# Altium PCB S6.PcbDoc (part 11 of 14) (continued)
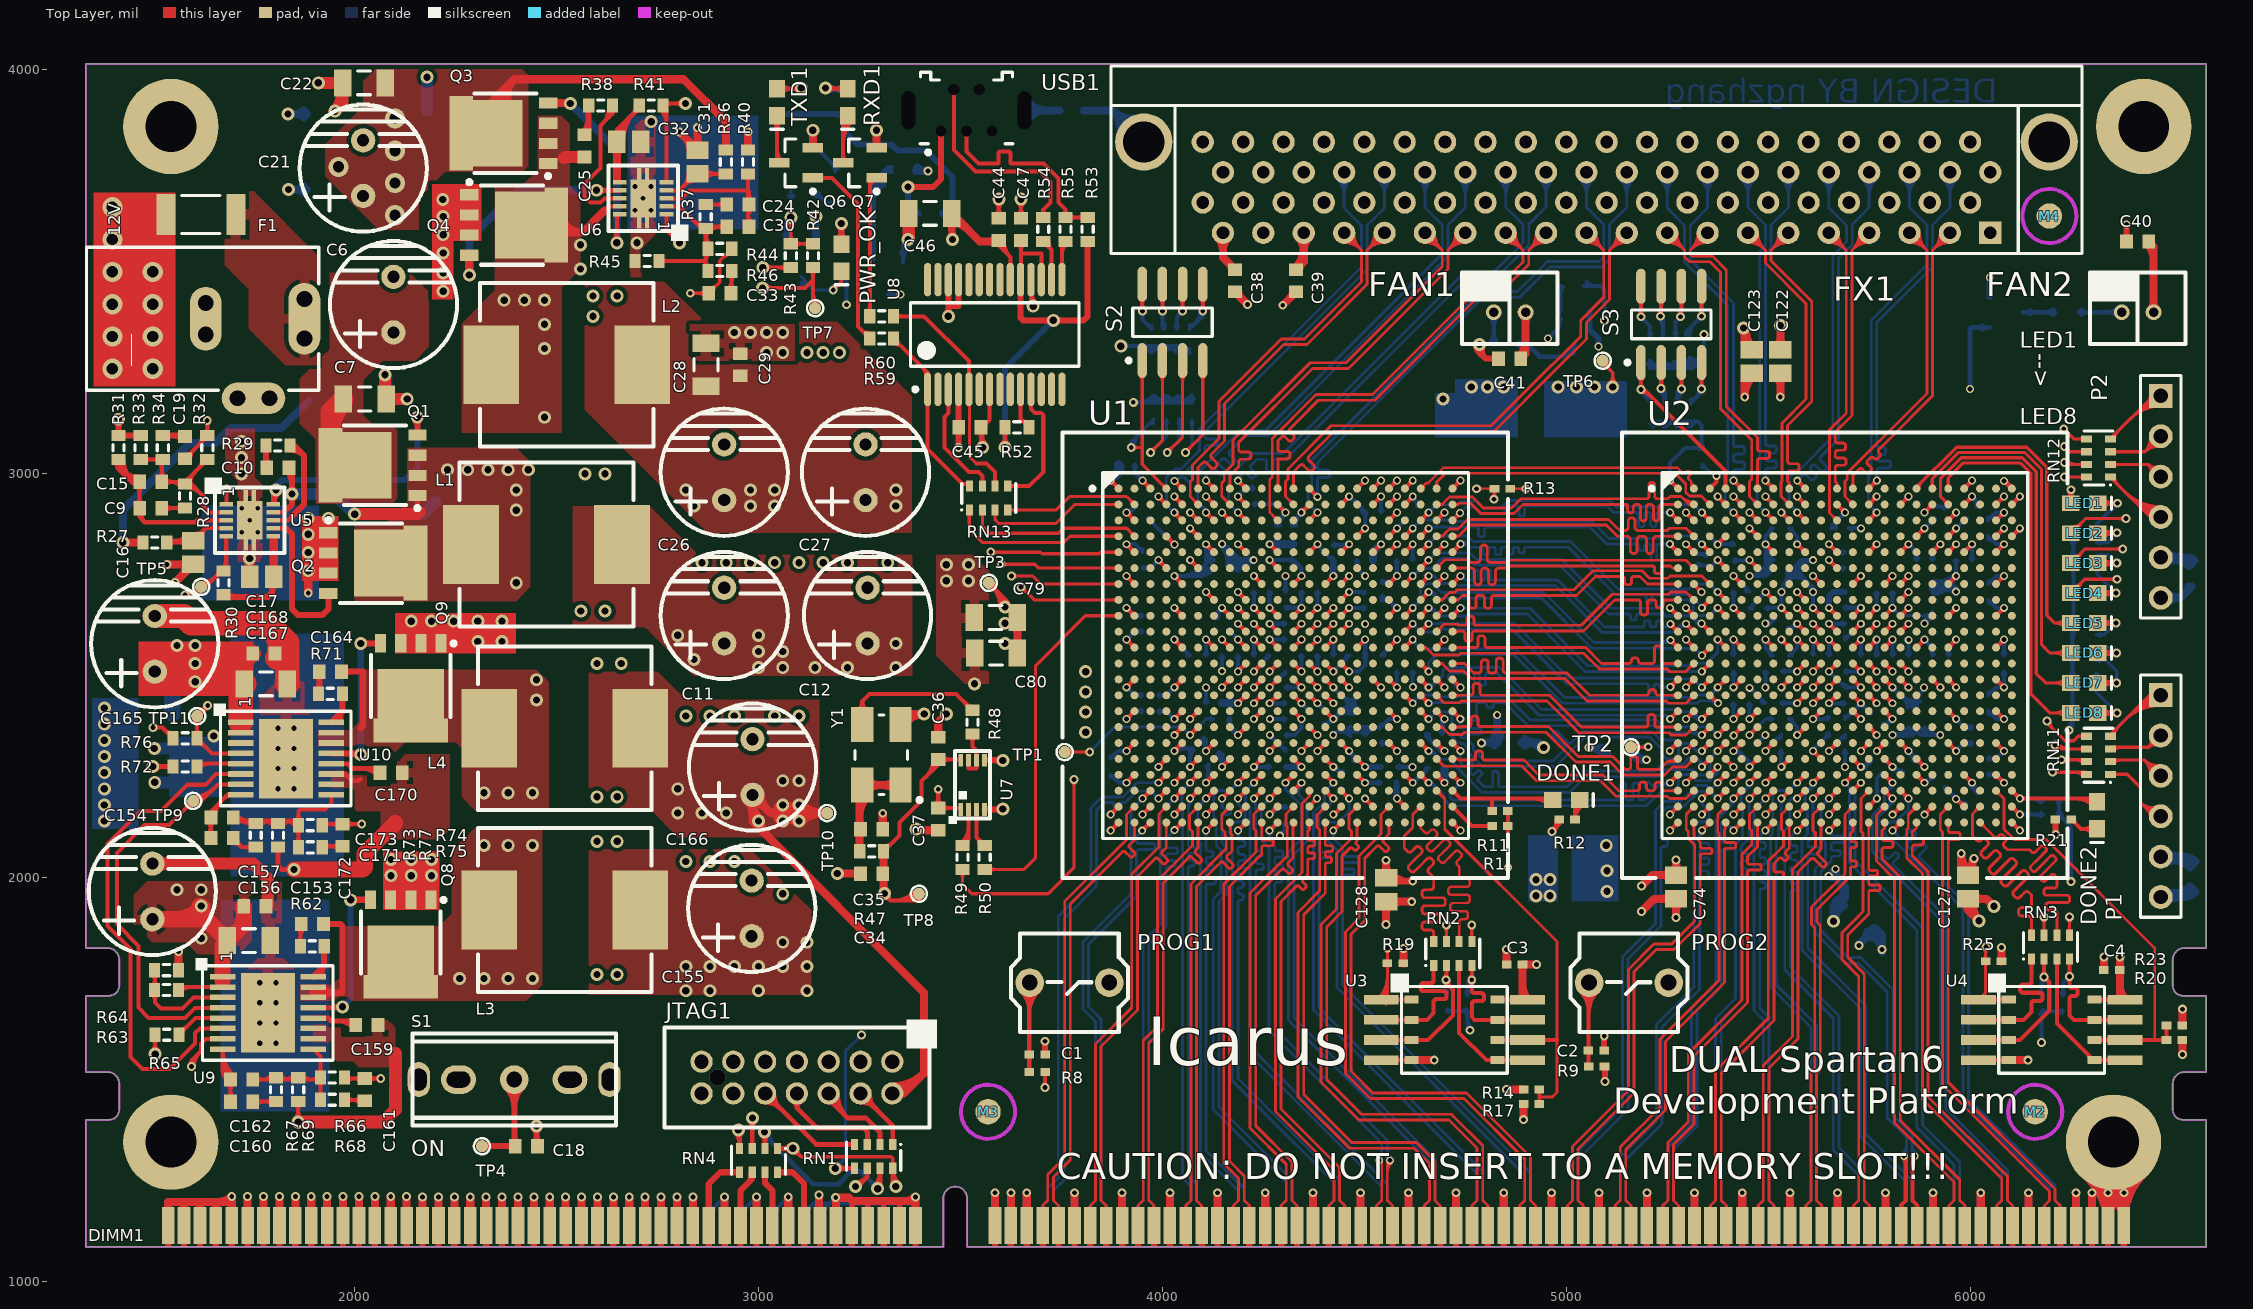
[diagram p0: Top Layer view]
## Nets (pads, with @x,y where several pads share a name; then routed paths per layer and width w, separated by ;. In a path a pad name is that pad's centre, name@x,y a point inside that pad or via, vN(x,y) a via of type N, cw(c..) or ccw(c..) an arc to the next point about the centre after c; other vN are vias at no path point) (continued)
UART_CTS: RN13.4 U1.B2 | length 376.2
  Top Layer w8: RN13.4@3617.24,2910.47 3737.47,2910.47 3770.7,2943.7 3911.3,2943.7 U1.B2@3930.98,2924.02 ; RN13.4@3620.68,2907.04 cw(c3628.97,2898.74) 3628.97,2910.47 cw(c3628.97,2922.2) RN13.4@3620.68,2913.91 ; U1.B2@3925.14,2924.02 ccw(c3911.04,2924.02) 3921.01,2933.99 ccw(c3930.98,2943.96) U1.B2@3930.98,2929.86
UART_RTS: RN13.2 U1.D2 | length 476.9
  Top Layer w8: RN13.2@3550.82,2902.12 cw(c3542.52,2893.82) 3554.25,2893.82 cw(c3565.98,2893.82) RN13.2@3557.69,2902.12 ; RN13.2@3554.25,2910.47 3554.25,2871.75 3573,2853 3742,2853 3754,2865 3911.26,2865 U1.D2@3930.98,2845.28 ; U1.D2@3925.14,2845.28 ccw(c3911.04,2845.28) 3921.01,2855.25 ccw(c3930.98,2865.22) U1.D2@3930.98,2851.12
UART_RXD: RN13.3 U1.B1 | length 394
  Top Layer w8: RN13.3@3582.31,2902.12 cw(c3574.02,2893.82) 3585.75,2893.82 cw(c3597.48,2893.82) RN13.3@3589.18,2902.12 ; RN13.3@3585.75,2910.47 3585.75,2886.25 3595,2877 3736,2877 3783.02,2924.02 U1.B1@3891.61,2924.02 ; U1.B1@3887.48,2919.88 ccw(c3877.51,2909.91) 3877.51,2924.02 ccw(c3877.51,2938.12) U1.B1@3887.48,2928.15
UART_TXD: RN13.1 U1.D1 | length 478.6
  Top Layer w8: RN13.1@3519.32,2902.12 cw(c3512.85,2895.65) 3522,2895.65 ; 3522,2892 cw(c3536.31,2892) RN13.1@3526.19,2902.12 ; RN13.1@3522.76,2910.47 3522,2909.72 3522,2862 3554,2830 3756,2830 3771.28,2845.28 U1.D1@3891.61,2845.28 ; U1.D1@3887.48,2841.14 ccw(c3877.51,2831.17) 3877.51,2845.28 ccw(c3877.51,2859.38) U1.D1@3887.48,2849.41
USB_N: R54.2 USB1.2 | length 546.2
  Top Layer w10: USB1.2@3483.5,3951.18 3483.5,3801.21 3536.72,3748 3697.5,3748 3722.5,3723 3722.5,3671.5 3705,3654 ; R54.2@3699.19,3641.11 ccw(c3687.8,3654) 3705,3654 ; R54.2@3705,3634.53 3705,3654 ; R54.2@3710.81,3641.11 cw(c3722.2,3654) 3705,3654
USB_P: R53.1 R55.2 USB1.3 | length 612.8
  Top Layer w10: USB1.3@3515,3848.82 3515,3798 3545,3768 3590.15,3768 ccw(c3590.15,3772.35) 3594.5,3772.35 3594.5,3793.45 cw(c3598.85,3793.45) 3598.85,3797.8 3619.15,3797.8 cw(c3619.15,3793.45) 3623.5,3793.45 3623.5,3772.35 ccw(c3627.85,3772.35) 3627.85,3768 3705.78,3768 3742.5,3731.28 3742.5,3671.5 3760,3654 ; R55.2@3754.19,3641.11 ccw(c3742.8,3654) 3760,3654 ; R55.2@3765.81,3641.11 cw(c3777.2,3654) 3760,3654 ; R55.2@3770.14,3628.32 cw(c3785.13,3613.33) 3785.13,3634.53 cw(c3785.13,3655.72) R55.2@3770.14,3640.74 ; R53.1@3804.86,3628.32 ccw(c3789.87,3613.33) 3789.87,3634.53 ccw(c3789.87,3655.72) R53.1@3804.86,3640.74 ; R53.1@3815,3634.53 R55.2@3760,3634.53 3760,3654
VCC3V3: C3.2 C4.2 C34.2 C36.1 C74.2 C75.2 C76.2 C77.2 C124.2 C125.2 C126.2 C127.2 C128.2 C129.2 C130.2 C131.2 C155.1 C158.2 C161.2 L3.2 R1.1 R3.1 R6.1 R7.1 R8.1 R9.1 R11.1 R14.1 R15.1 R16.1 R18.1 R19.1 R20.1 R22.1 R24.1 R25.1 R47.2 R66.1 R76.2 TP8.1 U1.AA3 U1.AA7 U1.AA11 U1.AA15 U1.AA19 U1.T9 U1.T13 U1.V8 U1.V12 U1.V16 U1.W5 U2.AA3 U2.AA7 U2.AA11 U2.AA15 U2.AA19 U2.T9 U2.T13 U2.V8 U2.V12 U2.V16 U2.W5 U3.8 U4.8 U7.8 | length 10564.4
  Top Layer w10: v3(1501,2372) 1523.47,2372 R76.2@1550.47,2345 ; v3@1505.24,2367.76 cw(c1515.49,2357.51) 1515.49,2372 cw(c1515.49,2386.49) v3@1505.24,2376.24 ; 1528.76,2366.71 ccw(c1550.47,2388.42) R76.2@1550.47,2357.72 ; R76.2@1538.27,2357.2 cw(c1530,2348.94) R76.2@1541.69,2348.94 ; R66.1@1974.53,1505 1976.97,1502.56 C161.2@2025,1502.56 v3(2064.56,1502.56) ; R66.1@1980.74,1494.85 cw(c1999.34,1476.26) 1999.34,1502.56 ; R66.1@1980.74,1507.27 ccw(c1992.11,1518.65) 1992.11,1502.56 ; C161.2@2015.43,1494.96 ccw(c1997.08,1476.61) 1997.08,1502.56 ccw(c1997.08,1528.51) C161.2@2015.43,1510.16 ; C161.2@2034.57,1494.96 cw(c2052.92,1476.61) 2052.92,1502.56 cw(c2052.92,1528.51) C161.2@2034.57,1510.16 ; v3@2060.32,1498.32 ccw(c2050.07,1488.07) 2050.07,1502.56 ccw(c2050.07,1517.04) v3@2060.32,1506.8 ; v2@3309.53,1960.47 3327,1943 ; R47.2@3309.53,2065 3349,2104.47 3349,2136 3404,2191 3404,2239 3445,2280 C36.1@3445,2292.44 3499.05,2292.44 U7.8@3500.47,2291.02 ; R47.2@3309.53,2077.72 ccw(c3309.53,2108.42) 3331.24,2086.71 ; v2@3312,1950 cw(c3312,1930.69) 3325.66,1944.34 ; R47.2@3318.31,2068.94 cw(c3330,2068.94) R47.2@3321.73,2077.2 ; v2@3322.69,1958.39 ccw(c3338.53,1954.53) 3327,1943 ; 3331.82,1943 ccw(c3331.82,2025.18) TP8.1@3389.93,1967.07 ; 3355.96,1943 ccw(c3355.96,2001.04) TP8.1@3397,1960 3397,1943 ; 3380.1,1943 ccw(c3380.1,1976.9) TP8.1@3404.07,1952.93 ; 3414.49,2249.49 ccw(c3371.55,2292.44) C36.1@3432.28,2292.44 ; 3431.57,2266.57 ccw(c3405.69,2292.44) C36.1@3442.28,2292.44 ; C36.1@3454.57,2284.84 cw(c3472.92,2266.49) 3472.92,2292.44 cw(c3472.92,2318.39) C36.1@3454.57,2300.04 ; v3@3704.76,1484.24 ccw(c3694.51,1494.49) 3709,1494.49 ccw(c3723.49,1494.49) v3@3713.24,1484.24 ; R8.1@3706.26,1515.58 cw(c3699.65,1508.96) 3709,1508.96 ; v3(3709,1480) 3709,1518.31 R8.1@3709.68,1519 ; 3709,1505.66 cw(c3723.03,1505.66) R8.1@3713.11,1515.58 ; v1(3950.67,2156.3) U1.AA3@3970.35,2175.98 ; v1@3950.67,2161.14 ccw(c3950.67,2172.83) 3958.94,2164.56 ccw(c3967.2,2156.3) v1@3955.51,2156.3 ; U1.AA3@3965.51,2175.98 cw(c3953.82,2175.98) 3962.09,2167.72 cw(c3970.35,2159.45) U1.AA3@3970.35,2171.14 ; v1(4029.41,2235.04) U1.W5@4049.09,2254.72 ; v1@4029.41,2239.88 ccw(c4029.41,2251.57) 4037.68,2243.31 ccw(c4045.94,2235.04) v1@4034.25,2235.04 ; U1.W5@4044.25,2254.72 cw(c4032.56,2254.72) 4040.83,2246.46 cw(c4049.09,2238.19) U1.W5@4049.09,2249.88 ; v1(4108.15,2156.3) U1.AA7@4127.83,2175.98 ; v1@4108.15,2161.14 ccw(c4108.15,2172.83) 4116.42,2164.56 ccw(c4124.68,2156.3) v1@4112.99,2156.3 ; U1.AA7@4122.99,2175.98 cw(c4111.3,2175.98) 4119.57,2167.72 cw(c4127.83,2159.45) U1.AA7@4127.83,2171.14 ; v1(4147.52,2274.41) U1.V8@4167.2,2294.09 ; v1@4147.52,2279.25 ccw(c4147.52,2290.94) 4155.79,2282.68 ccw(c4164.05,2274.41) v1@4152.36,2274.41 ; U1.V8@4162.36,2294.09 cw(c4150.67,2294.09) 4158.94,2285.83 cw(c4167.2,2277.56) U1.V8@4167.2,2289.25 ; v1(4186.89,2353.15) U1.T9@4206.57,2372.83 ; v1@4186.89,2357.99 ccw(c4186.89,2369.68) 4195.16,2361.42 ccw(c4203.42,2353.15) v1@4191.73,2353.15 ; U1.T9@4201.73,2372.83 cw(c4190.04,2372.83) 4198.31,2364.57 cw(c4206.57,2356.3) U1.T9@4206.57,2367.99 ; v1(4265.63,2156.3) U1.AA11@4285.31,2175.98 ; v1@4265.63,2161.14 ccw(c4265.63,2172.83) 4273.9,2164.56 ccw(c4282.16,2156.3) v1@4270.47,2156.3 ; U1.AA11@4280.47,2175.98 cw(c4268.78,2175.98) 4277.05,2167.72 cw(c4285.31,2159.45) U1.AA11@4285.31,2171.14 ; U1.V12@4324.69,2289.25 cw(c4324.69,2277.56) 4332.95,2285.83 cw(c4341.22,2294.09) U1.V12@4329.53,2294.09 ; U1.V12@4324.69,2294.09 v1(4344.37,2274.41) ; v1@4339.53,2274.41 ccw(c4327.84,2274.41) 4336.1,2282.68 ccw(c4344.37,2290.94) v1@4344.37,2279.25 ; U1.T13@4364.06,2367.99 cw(c4364.06,2356.3) 4372.32,2364.57 cw(c4380.59,2372.83) U1.T13@4368.9,2372.83 ; U1.T13@4364.06,2372.83 v1(4383.74,2353.15) ; v1@4378.9,2353.15 ccw(c4367.21,2353.15) 4375.47,2361.42 ccw(c4383.74,2369.68) v1@4383.74,2357.99 ; v1@4423,2154 4442.8,2173.8 U1.AA15@4442.8,2175.98 ; v1@4423.11,2161.14 ccw(c4423.11,2178.11) 4435.11,2166.11 ; 4432.98,2163.98 ccw(c4420.98,2175.98) U1.AA15@4437.95,2175.98 ; U1.V16@4482.17,2289.25 cw(c4482.17,2277.56) 4490.43,2285.83 cw(c4498.7,2294.09) U1.V16@4487.01,2294.09 ; U1.V16@4482.17,2294.09 v1(4501.85,2274.41) ; v1@4497.01,2274.41 ccw(c4485.32,2274.41) 4493.58,2282.68 ccw(c4501.85,2290.94) v1@4501.85,2279.25 ; v1@4580.59,2190.83 cw(c4580.59,2179.14) 4588.86,2187.4 cw(c4597.12,2195.67) v1@4585.43,2195.67 ; v1(4580.59,2195.67) U1.AA19@4600.28,2175.98 ; U1.AA19@4595.43,2175.98 ccw(c4583.74,2175.98) 4592.01,2184.25 ccw(c4600.28,2192.52) U1.AA19@4600.28,2180.83 ; U3.8@4840.43,1694.58 cw(c4848.69,1686.31) 4848.69,1698 cw(c4848.69,1709.69) U3.8@4840.43,1701.42 ; v7@4852.15,2028.22 ccw(c4843.61,2036.76) 4855.69,2036.76 ccw(c4867.76,2036.76) v7@4859.22,2028.22 ; R1.1@4852.26,2124.58 cw(c4843.99,2116.31) 4855.69,2116.31 cw(c4867.38,2116.31) R1.1@4859.11,2124.58 ; R1.1@4852.26,2131.42 ccw(c4843.99,2139.69) 4855.69,2139.69 ccw(c4867.38,2139.69) R1.1@4859.11,2131.42 ; R11.1@4852.26,2161.58 cw(c4843.99,2153.31) 4855.69,2153.31 cw(c4867.38,2153.31) R11.1@4859.11,2161.58 ; v7(4855.69,2024.68) R1.1@4855.69,2128 R11.1@4855.69,2165 ; U3.8@4867.79,1693.18 ccw(c4856.16,1681.56) 4856.16,1698 ccw(c4856.16,1714.44) U3.8@4867.79,1702.82 ; v1(5335.67,2156.3) U2.AA3@5355.35,2175.98 ; v1@5335.67,2161.14 ccw(c5335.67,2172.83) 5343.94,2164.56 ccw(c5352.2,2156.3) v1@5340.51,2156.3 ; U2.AA3@5350.51,2175.98 cw(c5338.82,2175.98) 5347.09,2167.72 cw(c5355.35,2159.45) U2.AA3@5355.35,2171.14 ; v1(5414.41,2235.04) U2.W5@5434.09,2254.72 ; v1@5414.41,2239.88 ccw(c5414.41,2251.57) 5422.68,2243.31 ccw(c5430.94,2235.04) v1@5419.25,2235.04 ; U2.W5@5429.25,2254.72 cw(c5417.56,2254.72) 5425.83,2246.46 cw(c5434.09,2238.19) U2.W5@5434.09,2249.88 ; v1(5493.15,2156.3) U2.AA7@5512.83,2175.98 ; v1@5493.15,2161.14 ccw(c5493.15,2172.83) 5501.42,2164.56 ccw(c5509.68,2156.3) v1@5497.99,2156.3 ; U2.AA7@5507.99,2175.98 cw(c5496.3,2175.98) 5504.57,2167.72 cw(c5512.83,2159.45) U2.AA7@5512.83,2171.14 ; v1(5532.52,2274.41) U2.V8@5552.2,2294.09 ; v1@5532.52,2279.25 ccw(c5532.52,2290.94) 5540.79,2282.68 ccw(c5549.05,2274.41) v1@5537.36,2274.41 ; U2.V8@5547.36,2294.09 cw(c5535.67,2294.09) 5543.94,2285.83 cw(c5552.2,2277.56) U2.V8@5552.2,2289.25 ; v1(5571.89,2353.15) U2.T9@5591.57,2372.83 ; v1@5571.89,2357.99 ccw(c5571.89,2369.68) 5580.16,2361.42 ccw(c5588.42,2353.15) v1@5576.73,2353.15 ; U2.T9@5586.73,2372.83 cw(c5575.04,2372.83) 5583.31,2364.57 cw(c5591.57,2356.3) U2.T9@5591.57,2367.99 ; v1(5650.63,2156.3) U2.AA11@5670.31,2175.98 ; v1@5650.63,2161.14 ccw(c5650.63,2172.83) 5658.9,2164.56 ccw(c5667.16,2156.3) v1@5655.47,2156.3 ; U2.AA11@5665.47,2175.98 cw(c5653.78,2175.98) 5662.05,2167.72 cw(c5670.31,2159.45) U2.AA11@5670.31,2171.14 ; U2.V12@5709.69,2289.25 cw(c5709.69,2277.56) 5717.95,2285.83 cw(c5726.22,2294.09) U2.V12@5714.53,2294.09 ; U2.V12@5709.69,2294.09 v1(5729.37,2274.41) ; v1@5724.53,2274.41 ccw(c5712.84,2274.41) 5721.1,2282.68 ccw(c5729.37,2290.94) v1@5729.37,2279.25 ; U2.T13@5749.06,2367.99 cw(c5749.06,2356.3) 5757.32,2364.57 cw(c5765.59,2372.83) U2.T13@5753.9,2372.83 ; U2.T13@5749.06,2372.83 v1(5768.74,2353.15) ; v1@5763.9,2353.15 ccw(c5752.21,2353.15) 5760.47,2361.42 ccw(c5768.74,2369.68) v1@5768.74,2357.99 ; v1(5808,2156) 5827.8,2175.8 U2.AA15@5827.8,2175.98 ; v1@5808,2160.84 ccw(c5808,2172.53) 5816.27,2164.27 ccw(c5824.53,2156) v1@5812.84,2156 ; 5819.39,2167.4 ccw(c5810.81,2175.98) U2.AA15@5822.95,2175.98 ; 5819.85,2167.85 cw(c5827.8,2159.91) U2.AA15@5827.8,2171.14 ; U2.V16@5867.17,2289.25 cw(c5867.17,2277.56) 5875.43,2285.83 cw(c5883.7,2294.09) U2.V16@5872.01,2294.09 ; U2.V16@5867.17,2294.09 v1(5886.85,2274.41) ; v1@5882.01,2274.41 ccw(c5870.32,2274.41) 5878.58,2282.68 ccw(c5886.85,2290.94) v1@5886.85,2279.25 ; v1@5965,2190.16 cw(c5965,2175.43) 5975.42,2185.84 ; v1(5965,2195) 5966.26,2195 U2.AA19@5985.28,2175.98 ; U2.AA19@5980.43,2175.98 ccw(c5968.74,2175.98) 5977.01,2184.25 ccw(c5985.28,2192.52) U2.AA19@5985.28,2180.83 ; U4.8@6319.43,1694.58 cw(c6327.69,1686.31) 6327.69,1698 cw(c6327.69,1709.69) U4.8@6319.43,1701.42 ; U4.8@6346.79,1693.18 ccw(c6335.16,1681.56) 6335.16,1698 ccw(c6335.16,1714.44) U4.8@6346.79,1702.82 ; 3327,1943 3397,1943 ; 3397,1943 cw(c3406.45,1943) 3401.86,1951.26 ccw(c3406.45,1943) 3397,1943 ; 3397,1943 ccw(c3387.55,1943) 3392.14,1951.26 cw(c3387.55,1943) 3397,1943
  Top Layer w15: C128.2@4562.53,1991 v3(4620,1991) ; C128.2@4569.91,2009.54 ccw(c4614.66,2054.28) v3@4614.66,1991 ; 4608.26,1992.72 ccw(c4611.67,2005.43) v3@4618.25,1994.03 ; R9.1@5094.69,1532 5096,1530.68 v3(5096,1495)
  Top Layer w20: C34.2@3303.49,2003.97 cw(c3288.93,1989.4) 3309.53,1989.4 ; C34.2@3303.49,2016.03 ccw(c3288.93,2030.6) 3309.53,2030.6 ; v2@3309.53,1960.47 3309.53,2010 R47.2@3309.53,2065 ; 3309.53,1981.45 ccw(c3332.45,1981.45) v2@3316.24,1965.24 ; C128.2@4545.76,2007.77 ccw(c4525.87,2027.66) 4554,2027.66 ccw(c4582.13,2027.66) C128.2@4562.24,2007.77 ; C128.2@4554,1999.53 v3(4554,2043) ; R19.1@4596.69,1788 v3(4596.69,1824.68) ; v3(4852,1475) R14.1@4894.31,1475 ; 4891.69,1732.35 ccw(c4938.45,1732.35) U3.8@4905.38,1699.28 ; U3.8@4904.1,1698 4891.69,1710.42 C3.2@4891.69,1785 v3(4926,1785) ; v3(5186,1979) 5213.53,2006.53 C74.2@5272,2006.53 v3(5272,2044) ; C74.2@5257.85,1998.29 ccw(c5237.96,1978.39) 5237.96,2006.53 ccw(c5237.96,2034.66) C74.2@5257.85,2014.77 ; C74.2@5263.76,2014.77 ccw(c5243.87,2034.66) 5272,2034.66 ccw(c5300.13,2034.66) C74.2@5280.24,2014.77 ; C127.2@5979.67,2013.38 ccw(c5966.45,2022.98) 5978,2034.53 ; C127.2@5991.48,2017.93 cw(c5994.95,2034.53) 5978,2034.53 ; C127.2@5993.31,2015.37 ccw(c5969.57,2043) v3@6006,2043 ; C127.2@5997.18,2014.92 cw(c6040.56,2060) v3(5978,2060) 5978,2034.53 ; 6006,2034.93 cw(c6022.07,2034.93) v3@6010.71,2046.29 ; v3(6010,2047) v3@6006,2043 ; R25.1@6077.69,1793 v3(6077.69,1827.32) ; 6370.69,1732.35 ccw(c6417.45,1732.35) U4.8@6384.38,1699.28 ; v3(6370.69,1803.31) C4.2@6370.69,1771 6370.69,1710.42 U4.8@6383.1,1698 ; R20.1@6525.69,1598 v3(6525.69,1562.32) v3@6526,1562 ; 5978,2034.53 6006,2006.53 v3@6006,2043
  Mid-Layer 3 w10: v3(1501,2372) 1536,2372 1559,2349 1559,2181 1636,2104 1891,2104 2140,1855 C155.1@2983,1855 ; v3@1505.24,2367.76 cw(c1515.49,2357.51) 1515.49,2372 cw(c1515.49,2386.49) v3@1505.24,2376.24 ; v3(2064.56,1502.56) 2195,1633 3087,1633 3312,1858 v2(3312,1961) ; v3@2064.56,1508.56 ccw(c2064.56,1523.04) 2074.8,1512.8 ccw(c2085.04,1502.56) v3@2070.56,1502.56 ; C155.1@2965.32,1837.32 ccw(c2922.64,1794.64) 2922.64,1855 ccw(c2922.64,1915.36) C155.1@2965.32,1872.68 ; C155.1@2972.39,1844.39 ccw(c2946.79,1818.79) 2946.79,1855 ccw(c2946.79,1891.21) C155.1@2972.39,1865.61 ; v2@3304.22,1953.22 cw(c3285.44,1934.44) 3312,1934.44 cw(c3338.56,1934.44) v2@3319.78,1953.22
  Mid-Layer 4 w8: 3965,2219 3976.72,2219 3981.72,2214 3982.23,2214.51 4008.88,2214.51 v1(4029.41,2235.04) 4048.25,2216.2 4048.25,2173.75 ; v1@4023.57,2235.04 cw(c4009.46,2235.04) 4019.43,2225.06 cw(c4029.41,2215.09) 4029.41,2229.2 cw(c4029.41,2215.09) 4039.38,2225.06 cw(c4049.36,2235.04) v1@4035.25,2235.04 ; 4128,2167 4128,2254.89 v1(4147.52,2274.41) 4168.05,2253.88 4168.05,2184.77 4171.14,2181.67 4171.14,2172.05 ; v1@4141.68,2274.41 cw(c4127.57,2274.41) 4137.55,2264.43 cw(c4147.52,2254.46) 4147.52,2268.57 cw(c4147.52,2254.46) 4157.49,2264.43 cw(c4167.47,2274.41) v1@4153.36,2274.41 ; 4186.89,2273.11 4207,2253 ; 4216,2163 4207,2172 4207,2253 ; 4246,2173 4246,2215 ; 4254.88,2253.88 4207.88,2253.88 4207,2253 ; 5355,2171 5355,2216 5365.43,2216 5366.43,2217 5367.23,2216.2 5395.57,2216.2 ; 5395.57,2175.43 5395.57,2216.2 ; v1@5408.57,2235.04 cw(c5394.46,2235.04) 5404.43,2225.06 cw(c5414.41,2215.09) 5414.41,2229.2 cw(c5414.41,2215.09) 5424.38,2225.06 cw(c5434.36,2235.04) v1@5420.25,2235.04 ; 5433.25,2180.75 5433.25,2216.2 v1(5414.41,2235.04) 5395.57,2216.2 ; 5474,2157 5474,2242.54 5485.34,2253.88 5511.99,2253.88 v1(5532.52,2274.41) 5532.52,2222.32 5513.68,2203.47 5513.68,2163.68 ; v1@5526.68,2274.41 cw(c5512.57,2274.41) 5522.55,2264.43 cw(c5532.52,2254.46) v1@5532.52,2268.57 ; v1@5528.39,2270.28 cw(c5518.41,2260.3) 5532.52,2260.3 cw(c5546.62,2260.3) v1@5536.65,2270.28 ; 5552,2175 5552,2217
  Mid-Layer 4 w15: 4186.89,2273.11 v1(4186.89,2353.15)
  Bottom Layer w10: R16.1@4703,1670.32 R18.1@4755,1670.32 4755,1629 v3(4762,1622) ; R16.1@4706.42,1666.89 cw(c4714.69,1658.62) 4714.69,1670.32 cw(c4714.69,1682.01) R16.1@4706.42,1673.74 ; R18.1@4751.58,1664.92 cw(c4743.31,1656.66) 4755,1656.66 cw(c4766.69,1656.66) R18.1@4758.42,1664.92 ; R18.1@4751.58,1666.89 ccw(c4743.31,1658.62) 4743.31,1670.32 ccw(c4743.31,1682.01) R18.1@4751.58,1673.74 ; 4755,1653.38 ccw(c4793.38,1653.38) v3@4766.24,1626.24 ; C124.2@5528.58,2308.92 cw(c5520.31,2300.66) 5532,2300.66 cw(c5543.69,2300.66) C124.2@5535.42,2308.92 ; v1@5529.09,2277.83 ccw(c5522.08,2284.85) 5532,2284.85 ; 5532,2287.35 ccw(c5545.46,2287.35) v1@5535.94,2277.83 ; C124.2@5532,2314.31 5532,2274.93 v1(5532.52,2274.41) ; R7.1@5551.69,2393 5571.89,2372.8 v1(5571.89,2353.15) ; R7.1@5558.5,2393 ccw(c5574.94,2393) 5563.31,2381.37 ; v1@5568.46,2356.57 ccw(c5560.2,2364.84) 5571.89,2364.84 ccw(c5583.58,2364.84) v1@5575.31,2356.57 ; v1@5728.76,2269.29 ccw(c5730.45,2283.43) 5740.52,2273.36 ; v1(5729.37,2274.41) 5741.57,2274.41 C126.2@5755.08,2287.92 cw(c5733.55,2309.44) v1@5729.95,2279.22 ; v1@5732.8,2270.98 cw(c5741.06,2262.72) 5741.06,2274.41 cw(c5741.06,2286.1) v1@5732.8,2277.83 ; C76.2@5936.92,2224.08 v1@5965,2196 ; C76.2@5938.31,2217.85 cw(c5938.31,2206.16) 5946.58,2214.42 cw(c5954.84,2222.69) C76.2@5943.15,2222.69 ; 5956.03,2204.97 cw(c5946.05,2195) v1@5960.16,2195 ; 5958.44,2202.56 ccw(c5965,2209.12) v1@5965,2199.84 ; v1@5965,2190.16 cw(c5965,2176.05) 5974.97,2186.03 ; v1(5965,2195) v1@5965,2196 ; v1@5966.25,2190.32 cw(c5969.36,2178.73) 5975.36,2189.12 ; v1@5967.12,2193.88 ccw(c5989.69,2216.45) C75.2@5989.69,2184.53 ; v1@5969.68,2196.25 ccw(c5980.67,2199.2) 5974.98,2189.34 ; v1@5969.84,2195 ccw(c5979.12,2195) 5972.56,2188.44 ; C75.2@5991.08,2181.08 5979.92,2181.08 v1@5965,2196 ; v3@6172.76,1596.24 ccw(c6162.51,1606.49) 6177,1606.49 ccw(c6191.49,1606.49) v3@6181.24,1596.24 ; R22.1@6173.58,1662.92 cw(c6165.31,1654.66) 6177,1654.66 cw(c6188.69,1654.66) R22.1@6180.42,1662.92 ; v3@6178,1591 v3(6177,1592) R22.1@6177,1668.32 R24.1@6230,1668.32 ; R22.1@6180.42,1664.89 cw(c6188.69,1656.62) 6188.69,1668.32 cw(c6188.69,1680.01) R22.1@6180.42,1671.74 ; R3.1@6216.26,2159.42 ccw(c6207.99,2167.69) 6219.69,2167.69 ccw(c6231.38,2167.69) R3.1@6223.11,2159.42 ; R15.1@6216.26,2186.58 cw(c6207.99,2178.31) 6219.69,2178.31 cw(c6231.38,2178.31) R15.1@6223.11,2186.58 ; R15.1@6219.69,2190 R3.1@6219.69,2156 6250,2125.69 v3(6250,1990) ; R3.1@6226.5,2156 ccw(c6242.94,2156) 6231.31,2144.37 ; R24.1@6226.58,1664.89 ccw(c6218.31,1656.62) 6218.31,1668.32 ccw(c6218.31,1680.01) R24.1@6226.58,1671.74 ; v3@6245.76,1994.24 ccw(c6235.51,2004.49) 6250,2004.49 ccw(c6264.49,2004.49) v3@6254.24,1994.24
  Bottom Layer w15: C129.2@4138.71,2304.97 cw(c4117.43,2283.69) v1@4147.52,2283.69 ; C129.2@4141.75,2308.01 4147.52,2302.25 v1(4147.52,2274.41) ; v1@4145.49,2275.58 ccw(c4133.49,2282.51) 4146.87,2286.09 ; R6.1@4166.69,2393 4166.69,2373.35 v1(4186.89,2353.15) ; v1(4265.63,2156.3) 4284.02,2174.69 C125.2@4305,2174.69 ; C131.2@4305.69,2274 4343.96,2274 v1(4344.37,2274.41) ; v1(4501.85,2274.41) 4502.26,2274 C130.2@4541.31,2274 ; C77.2@4579.69,2235 4579.69,2196.57 v1(4580.59,2195.67)
  other v1: 4423.11,2156.3
  other v2: 2820,1720 2880,1720 3000,1720 3120,1720 2820,1780 2880,1780 2940,1780 3000,1780 3060,1780 3120,1780 3060,1840 3120,1840
VCC5USB: C44.1 C46.2 R51.1 R57.2 R58.2 U8.20 | length 1406
  Top Layer w10: C44.1@3595,3575.47 3595,3565 3623.39,3536.61 ; C44.1@3597.72,3577.41 ccw(c3630.61,3575.95) 3607.33,3552.67 ; C44.1@3607.71,3576.97 ccw(c3661.36,3574.59) 3623.38,3536.62 ; U8.20@3620.66,3516.04 ccw(c3614.07,3522.62) 3623.39,3522.62 ccw(c3632.7,3522.62) U8.20@3626.11,3516.04 ; U8.20@3623.39,3480.83 3623.39,3536.61
  Top Layer w15: C46.2@3468.14,3623.18 cw(c3439.51,3594.55) v2@3480,3594.55 ; v2@3472.76,3584.45 ccw(c3446.59,3600.54) 3476.26,3608.49 ; v2@3473.99,3586.01 ccw(c3459.48,3600.52) 3480,3600.52 ccw(c3500.52,3600.52) v2@3486.01,3586.01 ; C46.2@3478.15,3645 3480,3643.15 v2(3480,3580) ; 3480,3603.49 cw(c3507.85,3603.49) C46.2@3488.16,3623.18
  Top Layer w20: C46.2@3478.15,3621.54 cw(c3478.15,3564.89) 3518.21,3604.94 ; C46.2@3480,3643.15 3547.68,3575.47 C44.1@3595,3575.47 ; 3574.4,3575.47 ccw(c3574.4,3596.07) C44.1@3588.97,3581.51
  Bottom Layer w15: R57.2@3046,3890.47 R58.2@3216,3890.47 ; R57.2@3054.38,3886.03 cw(c3065.1,3875.31) 3065.1,3890.47 cw(c3065.1,3905.63) R57.2@3054.38,3894.91 ; 3189.83,3890.47 cw(c3189.83,3858.24) R58.2@3212.62,3881.03 ; 3216,3867.75 cw(c3234.79,3867.75) R58.2@3221.5,3881.03 ; R58.2@3221,3885.47 R58.2@3216,3890.47 ; R51.1@3454.53,3645 3480.12,3645 ; R51.1@3458.97,3640.56 cw(c3469.69,3629.84) 3469.69,3645 cw(c3469.69,3660.16) R51.1@3458.97,3649.44 ; v2@3473.99,3586.01 ccw(c3459.19,3600.81) 3480.12,3600.81 ; v2(3480,3580) 3480.12,3580.12 3480.12,3734.88 3415,3800 3345,3800 3330,3815 3246,3815 3216,3845 R58.2@3216,3890.47 ; 3480.12,3600.24 ccw(c3500.24,3600.24) v2@3486.01,3586.01
VCC12V: C5.2 C20.2 C38.2 C40.1 C41.1 C152.2 C163.2 DIMM1.1 DIMM1.2 DIMM1.3 DIMM1.4 DIMM1.5 DIMM1.6 DIMM1.7 DIMM1.8 DIMM1.9 DIMM1.10 DIMM1.11 DIMM1.12 DIMM1.13 DIMM1.14 DIMM1.15 DIMM1.16 DIMM1.121 DIMM1.122 DIMM1.123 DIMM1.124 DIMM1.125 DIMM1.126 DIMM1.127 DIMM1.128 DIMM1.129 DIMM1.130 DIMM1.131 DIMM1.132 DIMM1.133 DIMM1.134 DIMM1.135 DIMM1.136 F1.2 FAN1.2 FAN2.2 FX1.38 FX1.39 FX1.40 R26.2 R35.2 R61.2 R70.2 R80.1 R81.1 | length 6698.2
  Top Layer w20: DIMM1.1@1538.13,1138.6 1538.13,1197.13 1695.48,1197.13 ; DIMM1.2@1577.5,1138.6 1577.5,1192.64 ; DIMM1.3@1616.87,1138.6 1616.87,1193.01 ; DIMM1.4@1656.24,1138.6 1656.24,1195.38 ; 1661.38,1197.13 ccw(c1661.38,1244.55) v3@1694.91,1211.02 ; DIMM1.5@1695.61,1129.16 DIMM1.5@1695.61,1138.6 v3(1695.61,1210.32) ; DIMM1.6@1734.98,1138.6 v3(1734.98,1210.32) ; DIMM1.7@1774.35,1138.6 v3(1774.35,1210.32) ; DIMM1.8@1813.72,1138.6 v3(1813.72,1210.32) ; DIMM1.9@1853.09,1138.6 v3(1853.09,1210.32) ; DIMM1.10@1892.46,1138.6 v3(1892.46,1210.32) ; DIMM1.11@1931.84,1138.6 v3(1931.83,1210.32) ; DIMM1.12@1971.2,1138.6 v3(1971.2,1210.32) ; DIMM1.13@2010.58,1138.6 v3(2010.58,1210.32) ; DIMM1.14@2049.95,1138.6 v3(2049.95,1210.32) ; DIMM1.15@2089.32,1138.6 v3(2089.32,1210.32) ; DIMM1.16@2128.68,1138.6 v3(2128.68,1210.32) ; FX1.39@4137.58,3584.2 cw(c4107.61,3554.22) 4150,3554.22 cw(c4192.39,3554.22) FX1.39@4162.42,3584.2 ; FX1.39@4150,3596.61 4150,3535.56 C38.2@4180,3505.56 ; C38.2@4166.83,3518.73 cw(c4153.65,3505.56) C38.2@4172.28,3505.56 ; C41.1@4883.49,3291.03 ccw(c4845.17,3329.36) 4899.37,3329.36 ; C41.1@4887.56,3285 4899.37,3296.81 FAN1.2@4899.37,3400 ; FAN1.2@4892.52,3393.15 cw(c4875.99,3376.62) 4899.37,3376.62 cw(c4922.75,3376.62) FAN1.2@4906.22,3393.15 ; C40.1@6438.49,3568.97 cw(c6400.17,3530.64) 6454.37,3530.64 ; C40.1@6442.56,3575 6454.37,3563.19 FAN2.2@6454.37,3400 ; FAN2.2@6447.52,3406.85 ccw(c6430.99,3423.38) 6454.37,3423.38 ccw(c6477.75,3423.38) FAN2.2@6461.22,3406.85
  Mid-Layer 3 w30: FX1.39@4141.12,3587.73 cw(c4119.68,3566.29) 4150,3566.29 cw(c4180.32,3566.29) FX1.39@4158.88,3587.73 ; FX1.39@4150,3596.61 4150,3535 4191,3494 4858,3494 4899.37,3452.63 FAN1.2@4899.37,3400 5070,3400 5195,3275 6329.37,3275 FAN2.2@6454.37,3400
  Mid-Layer 4 w30: FX1.40@4100,3671.61 4100,3646.61 FX1.39@4150,3596.61 4200,3646.61 FX1.38@4200,3671.61 4198.61,3673 FX1.40@4104,3673 ; FX1.40@4108.88,3662.73 cw(c4133.67,3637.95) 4133.67,3673 ; FX1.40@4112.56,3671.61 ccw(c4203.23,3671.61) FX1.39@4139.12,3607.5 ; 4126.58,3629.21 ccw(c4164.62,3651.17) FX1.39@4153.25,3608.75 ; FX1.39@4137.44,3596.61 ccw(c4107.12,3596.61) 4128.56,3618.05 ccw(c4150,3639.49) 4150,3609.17 ccw(c4150,3639.49) 4171.44,3618.05 ccw(c4192.88,3596.61) FX1.39@4162.56,3596.61 ; FX1.39@4146.75,3608.75 ccw(c4135.38,3651.17) 4173.42,3629.21 ; FX1.39@4160.88,3607.5 ccw(c4096.77,3671.61) FX1.38@4187.44,3671.61 ; 4166.33,3673 cw(c4166.33,3637.95) FX1.38@4191.12,3662.73
  Bottom Layer w10: R81.1@5044.53,3465 5085,3465 5095,3455 v3@5095,3385 ; R81.1@5050.74,3475.27 ccw(c5075.53,3500.07) 5075.53,3465 ; v3@5090.76,3384.24 ccw(c5080.51,3394.49) 5095,3394.49 ccw(c5109.49,3394.49) v3@5099.24,3384.24
  Bottom Layer w20: DIMM1.121@1538.13,1138.6 1538.13,1197.13 1694.48,1197.13 ; DIMM1.122@1577.5,1138.6 1577.5,1195.64 ; DIMM1.123@1616.87,1138.6 1616.87,1195.26 ; DIMM1.124@1656.24,1138.6 1656.24,1196.89 ; 1661.38,1197.13 ccw(c1661.38,1244.55) v3@1694.91,1211.02 ; DIMM1.125@1695.61,1138.6 v3(1695.61,1210.32) ; DIMM1.126@1734.98,1138.6 v3(1734.98,1210.32) ; DIMM1.127@1774.35,1138.6 v3(1774.35,1210.32) ; DIMM1.128@1813.72,1138.6 v3(1813.72,1210.32) ; DIMM1.129@1853.09,1138.6 v3(1853.09,1210.32) ; DIMM1.130@1892.46,1138.6 v3(1892.46,1210.32) ; DIMM1.131@1931.84,1138.6 v3(1931.83,1210.32) ; DIMM1.132@1971.2,1138.6 v3(1971.2,1210.32) ; DIMM1.133@2010.58,1138.6 v3(2010.58,1210.32) ; DIMM1.134@2049.95,1138.6 v3(2049.95,1210.32) ; DIMM1.135@2089.32,1138.6 v3(2089.32,1210.32) ; DIMM1.136@2128.68,1138.6 v3(2128.68,1210.32) ; R80.1@3390,3750 v3(3420,3750) ; R80.1@3392.2,3758.74 ccw(c3413.29,3779.83) v3@3413.29,3750
  other v2: 1380,2140 1380,2180 1380,2220 1380,2260 1380,2300 1380,2340 1380,2380 1380,2420
  other v3: 5095,3380
  other v5: 1400,3260 1500,3260 1400,3340 1500,3340 1400,3420 1500,3420 1400,3500 1500,3500 1400,3580 1400,3660
VCCINT1_PG: R30.1 R43.2 TP5.1 U5.5 U6.1 | length 3593.2
  Top Layer w10: v3(1580,2700) 1600,2700 TP5.1@1620,2720 ; v3@1584.24,2695.76 cw(c1594.49,2685.51) 1594.49,2700 cw(c1594.49,2714.49) v3@1584.24,2704.24 ; TP5.1@1610,2720 cw(c1585.86,2720) 1602.93,2702.93 cw(c1620,2685.86) TP5.1@1620,2710 ; TP5.1@1620,2730 ccw(c1620,2778.28) 1654.14,2744.14 ; 1637.07,2727.07 cw(c1620,2744.14) TP5.1@1620,2720 ; 1653.45,2743.45 cw(c1671.06,2725.85) R30.1@1671.06,2750.75 ; 1657.16,2747.16 ccw(c1644.8,2759.53) R30.1@1662.28,2759.53 ; R30.1@1672.73,2765.74 ccw(c1650.52,2787.95) 1681.93,2787.95 ; 1681.93,2773.5 ccw(c1692.91,2773.5) R30.1@1685.15,2765.74 ; U5.5@1681.93,2845.63 1681.93,2766.46 R30.1@1675,2759.53 1669.53,2759.53 1630,2720 TP5.1@1620,2720 ; U6.1@2772.07,3642.63 2772.07,3603.93 v2(2804,3572) ; v2@2793,3572 ccw(c2766.44,3572) 2785.22,3590.78 ccw(c2804,3609.56) v2@2804,3583 ; v2(3010.47,3510.47) R43.2@3080,3510.47 ; v2@3018.25,3502.69 cw(c3037.03,3483.92) 3037.03,3510.47 cw(c3037.03,3537.03) v2@3018.25,3518.25 ; R43.2@3069.86,3504.26 ccw(c3054.87,3489.28) 3054.87,3510.47 ccw(c3054.87,3531.67) R43.2@3069.86,3516.68
  Mid-Layer 3 w10: v3@1575.76,2704.24 ccw(c1565.51,2714.49) 1580,2714.49 ccw(c1594.49,2714.49) v3@1584.24,2704.24 ; v3(1580,2700) 1580,3177 1742,3339 1742,3419 1900.5,3577.5 2137.5,3577.5 2153,3593 2153,3791 2339,3977 2719,3977 2779,3917 2779,3597 v2(2804,3572) 2865.53,3510.47 v2(3010.47,3510.47) ; v2@2793,3572 ccw(c2766.44,3572) 2785.22,3590.78 ccw(c2804,3609.56) v2@2804,3583 ; v2@2804,3561 cw(c2804,3534.44) 2822.78,3553.22 cw(c2841.56,3572) v2@2815,3572 ; v2@3002.69,3502.69 ccw(c2983.92,3483.92) 2983.92,3510.47 ccw(c2983.92,3537.03) v2@3002.69,3518.25